# Altium PCB ZYNQ_IPMC.PcbDoc (part 4 of 6)
Units mil, origin at the board's own origin, x right, y up, seen from the top; angles counter-clockwise.
Board outline 3228.35 x 1181.1 mil, 10 copper layers (Component Side, Ground Plane 1 (GND), Inner Layer 1, Inner Layer 2, Power Plane 1, Power Plane 2, Inner Layer 3, Inner Layer 4, Power Plane 3, Solder Side), stack 39.78 mil thick; 308 components, 335 nets, 1514 pads, 1113 vias.
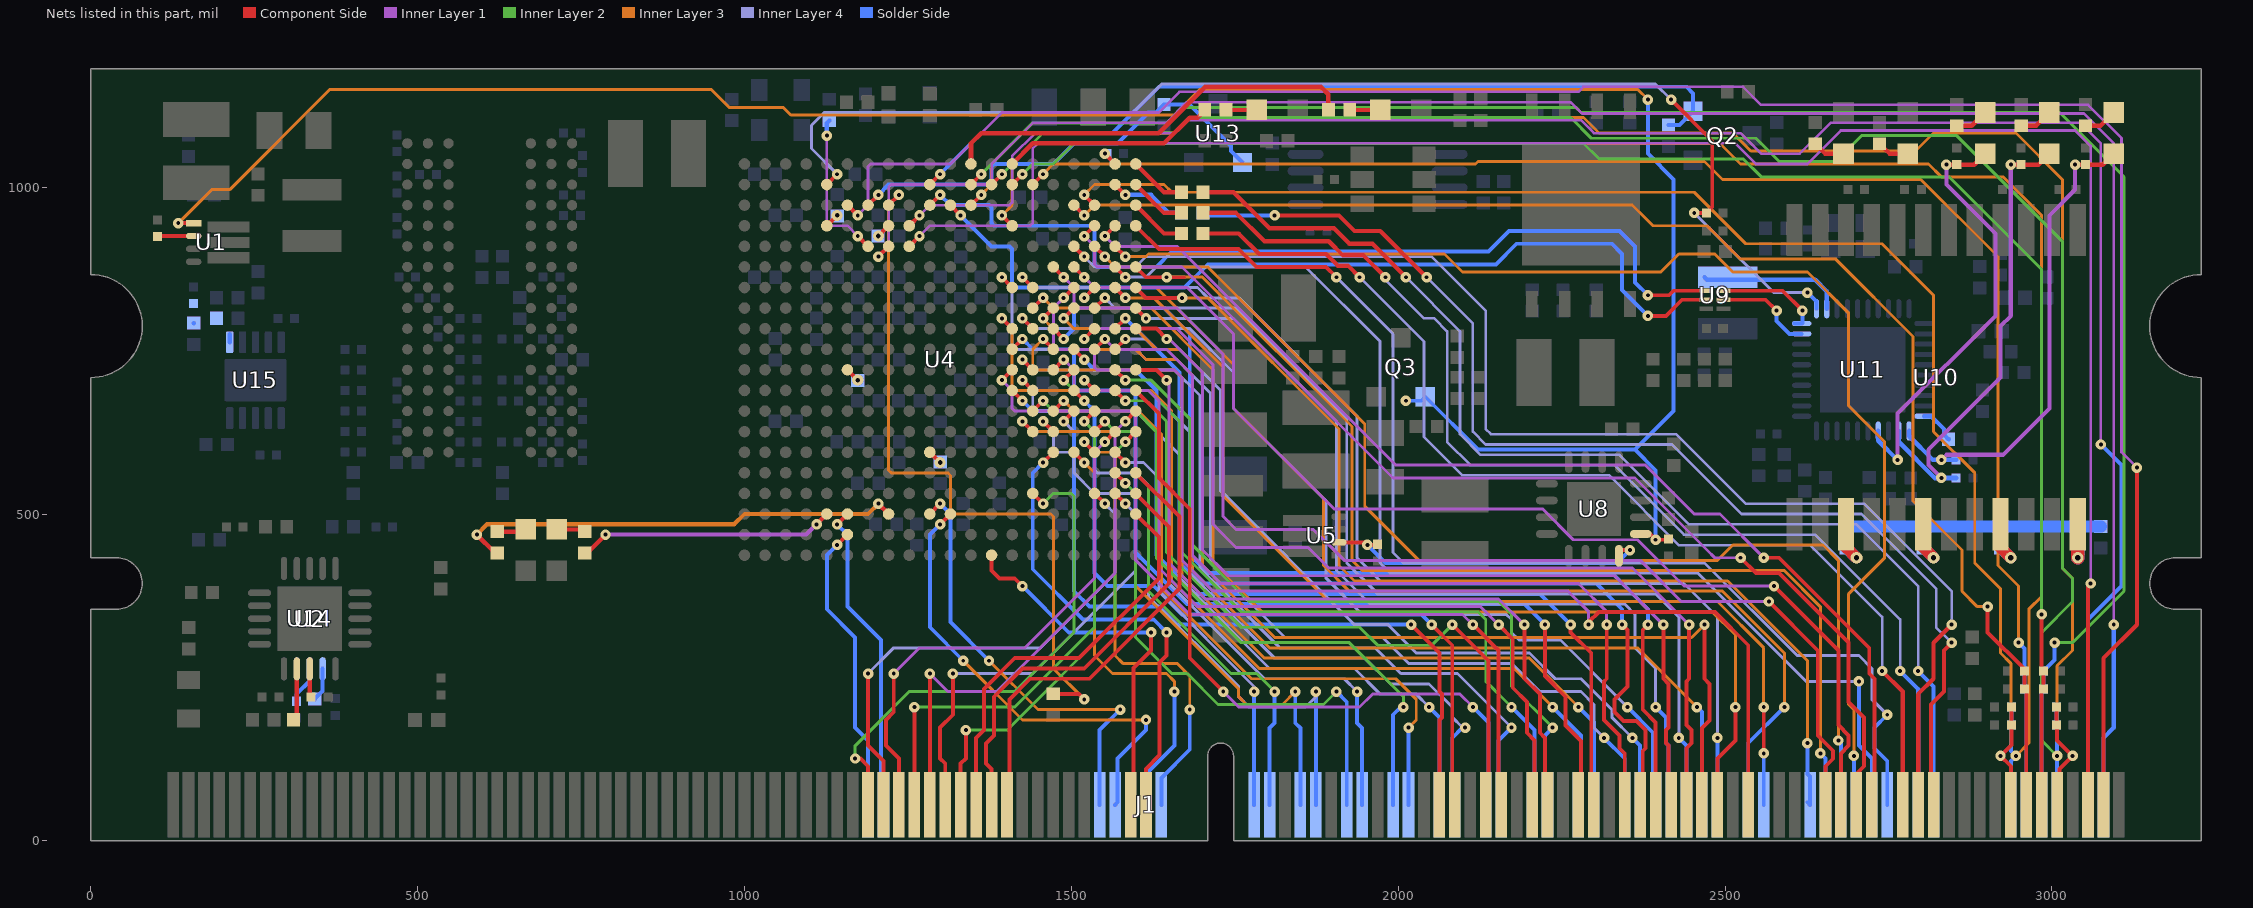
[diagram p12: the nets of this part, all layers, seen from the top]

## Via types
v1: diameter 16, hole 6, Component Side to Solder Side, tented both sides, 528 vias
v2: diameter 17, hole 7, Component Side to Solder Side, tented both sides, 302 vias
v3: diameter 18, hole 8, Component Side to Solder Side, tented both sides, 268 vias
v4: diameter 17, hole 7, Component Side to Solder Side, tented top, 13 vias
v5: diameter 16, hole 6, Component Side to Solder Side, tented top, 2 vias

## Nets (pads, with @x,y where several pads share a name; then routed paths per layer and width w, separated by ;. In a path a pad name is that pad's centre, name@x,y a point inside that pad or via, vN(x,y) a via of type N, cw(c..) or ccw(c..) an arc to the next point about the centre after c; other vN are vias at no path point) (continued)
GPIO_40: J1.46 U4.U15 | length 796
  Component Side w6: v1(1169.29,125.98) 1177.17,125.98 1188.98,114.17 J1.46@1188.98,55.12 ; U4.U15@1440.94,531.5 v1(1456.69,515.75)
  Inner Layer 2 w4.5: v1(1169.29,125.98) 1169.29,145.67 1251.97,228.35 1413.39,228.35 1503.94,318.9 1503.94,527.56 1500,531.5 1472.44,531.5 v1(1456.69,515.75)
GPIO_41: J1.168 U4.W6 | length 452.5
  Component Side w6: v1(1141.73,452.76) U4.W6@1157.48,468.5
  Solder Side w6: v1(1141.73,452.76) 1125.98,437.01 1125.98,354.33 1169.29,311.02 1169.29,173.23 1188.98,153.54 J1.168@1188.98,55.12
GPIO_42: J1.47 U4.U18 | length 787.2
  Component Side w6: v1(1188.98,255.91) 1188.98,145.67 1212.6,122.05 J1.47@1212.6,55.12 ; U4.U18@1535.43,531.5 v1(1551.18,515.75)
  Inner Layer 4 w4.5: v1(1188.98,255.91) 1228.35,295.28 1452.76,295.28 1566.93,409.45 1566.93,500 v1(1551.18,515.75)
GPIO_43: J1.169 U4.V6 | length 480.8
  Component Side w6: v1(1141.73,484.25) U4.V6@1157.48,500
  Solder Side w6: v1(1141.73,484.25) 1157.48,468.5 1157.48,358.27 1208.66,307.09 1208.66,59.06 J1.169@1212.6,55.12
GPIO_44: J1.48 U4.P19 | length 818.7
  Component Side w6: v1(1228.35,255.91) 1228.35,196.85 1216.54,185.04 1216.54,145.67 1236.22,125.98 J1.48@1236.22,55.12 ; v1(1551.18,610.24) U4.P19@1566.93,625.98
  Inner Layer 1 w4.5: v1(1228.35,255.91) 1267.72,295.28 1429.13,295.28 1535.43,401.57 1535.43,594.49 v1(1551.18,610.24)
GPIO_45: J1.49 U4.N18 | length 819.5
  Component Side w6: J1.49@1259.84,55.12 v1(1259.84,204.72) ; v1(1519.68,641.73) U4.N18@1535.43,657.48
  Inner Layer 2 w4.5: v1(1259.84,204.72) 1413.39,204.72 1535.43,326.77 1535.43,625.98 v1(1519.68,641.73)
GPIO_46: J1.50 U4.N20 | length 831.8
  Component Side w6: J1.50@1283.46,55.12 v1(1283.46,255.91) ; v1(1582.68,641.73) U4.N20@1598.43,657.48
  Inner Layer 1 w4.5: v1(1283.46,255.91) 1311.02,228.35 1385.83,228.35 1566.93,409.45 1566.93,625.98 v1(1582.68,641.73)
GPIO_47: J1.51 U4.U19 | length 688.1
  Component Side w6: J1.51@1307.09,55.12 1307.09,118.11 1299.21,125.98 1299.21,173.23 1318.9,192.91 v1(1318.9,255.91) ; U4.U19@1566.93,531.5 v1(1582.68,515.75)
  Inner Layer 4 w4.5: v1(1318.9,255.91) 1440.94,255.91 1598.43,413.39 1598.43,500 v1(1582.68,515.75)
GPIO_48: J1.52 U4.P20 | length 718.7
  Component Side w6: J1.52@1330.71,55.12 1330.71,118.11 1338.58,125.98 v1(1338.58,169.29) ; v1(1582.68,610.24) U4.P20@1598.43,625.98
  Inner Layer 2 w4.5: v1(1338.58,169.29) 1401.57,169.29 1566.93,334.65 1566.93,594.49 v1(1582.68,610.24)
GPIO_49: J1.53 U4.V20 | length 633
  Component Side w6: J1.53@1354.33,55.12 1354.33,157.48 1366.14,169.29 1366.14,232.28 1413.39,279.53 1511.81,279.53 1633.86,401.57 1633.86,464.57 U4.V20@1598.43,500
GPIO_50: J1.54 U4.U20 | length 672.3
  Component Side w6: J1.54@1377.95,55.12 1377.95,110.24 1369.63,118.56 1369.63,149.15 1381.89,161.42 1381.89,220.47 1425.2,263.78 1519.68,263.78 1649.61,393.7 1649.61,480.31 U4.U20@1598.43,531.5
GPIO_51: J1.55 U4.T20 | length 697.9
  Component Side w6: J1.55@1401.57,55.12 1405.51,59.06 1405.51,216.54 1437.01,248.03 1527.56,248.03 1665.35,385.83 1665.35,496.06 U4.T20@1598.43,562.99
GPIO_52: J1.183 U4.V10 | length 683.9
  Component Side w6: U4.V10@1283.46,500 v1(1299.21,515.75)
  Inner Layer 3 w4.5: v1(1374.02,275.59) 1448.82,200.79 v1(1574.8,200.79)
  Solder Side w6: v1(1299.21,515.75) 1314.96,500 1314.96,334.65 v1(1374.02,275.59) ; J1.183@1543.31,55.12 1543.31,169.29 v1(1574.8,200.79)
GPIO_53: J1.184 U4.V11 | length 730.7
  Component Side w6: v1(1299.21,484.25) U4.V11@1314.96,500
  Inner Layer 3 w4.5: v1(1334.65,275.59) 1425.2,185.04 1610.24,185.04 1612.2,187.01 1614.17,188.98 v1(1614.17,185.04)
  Solder Side w6: v1(1299.21,484.25) 1283.46,468.5 1283.46,326.77 v1(1334.65,275.59) ; J1.184@1566.93,55.12 1570.87,59.06 1570.87,125.98 1614.17,169.29 v1(1614.17,185.04)
GPIO_54: J1.63 U4.Y13 | length 583.7
  Component Side w6: U4.Y13@1377.95,437.01 1377.95,413.39 1389.76,401.57 1413.39,401.57 v1(1425.2,389.76) ; J1.63@1590.55,55.12 1595.28,59.84 1595.28,264.57 1622.05,291.34 v1(1622.05,318.9)
  Solder Side w6: v1(1425.2,389.76) 1496.06,318.9 v1(1622.05,318.9)
GPIO_55: J1.64 U4.R16 | length 713.6
  Component Side w6: v1(1456.69,578.74) U4.R16@1472.44,594.49 ; J1.64@1614.17,55.12 1614.17,110.24 1635,131.06 1635,272.8 1645.67,283.46 v1(1645.67,318.9)
  Solder Side w6: v1(1456.69,578.74) 1440.94,562.99 1440.94,415.51 1517.87,338.58 1625.98,338.58 v1(1645.67,318.9)
GPIO_56: J1.186 U4.R17 | length 669.3
  Component Side w6: U4.R17@1503.94,594.49 v1(1519.68,578.74)
  Inner Layer 3 w4.5: v1(1519.68,578.74) 1535.43,562.99 1535.43,283.46 1562.99,255.91 1645.67,255.91 1657.48,244.09 v1(1657.48,228.35)
  Solder Side w6: J1.186@1614.17,55.12 1614.17,102.36 1657.48,145.67 v1(1657.48,228.35)
GPIO_57: J1.187 U4.R18 | length 726.8
  Component Side w6: v1(1519.68,610.24) U4.R18@1535.43,594.49
  Inner Layer 3 w4.5: v1(1519.68,610.24) 1535.43,594.49 1562.99,594.49 1566.93,590.55 1566.93,283.46 1578.74,271.65 1661.42,271.65 1681.1,251.97 v1(1681.1,200.79)
  Solder Side w6: J1.187@1637.8,55.12 1637.8,96.46 1681.1,139.76 v1(1681.1,200.79)
GPIO_58: J1.188 U4.N17 | length 780.3
  Component Side w6: v1(1488.19,641.73) U4.N17@1503.94,657.48
  Inner Layer 4 w4.5: v1(1488.19,641.73) 1503.94,625.98 1531.5,625.98 1535.43,622.05 1535.43,566.93 1539.37,562.99 1598.43,562.99 1633.86,527.56 1633.86,381.89 1779.53,236.22 v1(1779.53,228.35)
  Solder Side w6: J1.188@1779.53,55.12 v1(1779.53,228.35)
GPIO_59: J1.189 U4.P18 | length 759
  Component Side w6: U4.P18@1535.43,625.98 v1(1551.18,641.73)
  Inner Layer 2 w4.5: v1(1551.18,641.73) 1566.93,625.98 1594.49,625.98 1598.43,622.05 1598.43,562.99 1618.11,543.31 1618.11,381.89 1744.09,255.91 1783.46,255.91 v1(1811.02,228.35)
  Solder Side w6: J1.189@1803.15,55.12 1803.15,172.64 1811.02,180.51 v1(1811.02,228.35)
GPIO_60: J1.191 U4.P15 | length 946.6
  Component Side w6: v1(1425.2,641.73) U4.P15@1440.94,625.98
  Inner Layer 3 w4.5: v1(1425.2,641.73) 1440.94,625.98 1594.49,625.98 1598.43,622.05 1598.43,389.76 1755.91,232.28 1755.91,220.47 1767.72,208.66 1822.83,208.66 v1(1842.52,228.35)
  Solder Side w6: v1(1842.52,228.35) 1842.52,180.51 1850.39,172.64 J1.191@1850.39,55.12
GPIO_61: J1.192 U4.P16 | length 930.5
  Component Side w6: v1(1456.69,641.73) U4.P16@1472.44,625.98
  Inner Layer 4 w4.5: v1(1456.69,641.73) 1472.44,625.98 1472.44,598.43 1476.38,594.49 1500,594.49 1503.94,590.55 1503.94,562.99 1535.43,531.5 1598.43,531.5 1618.11,511.81 1618.11,374.02 1755.91,236.22 1755.91,220.47 1771.65,204.72 1858.27,204.72 1874.02,220.47 v1(1874.02,228.35)
  Solder Side w6: J1.192@1874.02,55.12 1874.02,213.19 v1(1874.02,228.35)
GPIO_62: J1.194 U4.T19 | length 802.4
  Component Side w6: U4.T19@1566.93,562.99 v1(1582.68,547.24)
  Inner Layer 2 w4.5: v1(1582.68,547.24) 1598.43,531.5 1598.43,311.02 1653.54,255.91 1677.17,255.91 1724.41,208.66 1885.83,208.66 v1(1905.51,228.35)
  Solder Side w6: v1(1905.51,228.35) 1921.26,212.6 J1.194@1921.26,55.12
GPIO_63: J1.195 U4.R19 | length 783.6
  Component Side w6: U4.R19@1566.93,594.49 v1(1582.68,578.74)
  Inner Layer 4 w4.5: v1(1582.68,578.74) 1610.24,578.74 1649.61,539.37 1649.61,393.7 1795.28,248.03 1917.32,248.03 v1(1937.01,228.35)
  Solder Side w6: v1(1937.01,228.35) 1937.01,180.51 1944.88,172.64 J1.195@1944.88,55.12
GPIO_64: J1.197 U4.N15 | length 1048.2
  Component Side w6: U4.N15@1440.94,657.48 v1(1456.69,673.23)
  Inner Layer 2 w4.5: v1(1456.69,673.23) 1472.44,657.48 1598.43,657.48 1629.92,625.98 1629.92,433.07 1759.84,303.15 1925.2,303.15 2007.87,220.47 v1(2007.87,204.72)
  Solder Side w6: J1.197@1992.13,55.12 1992.13,192.91 2003.94,204.72 v1(2007.87,204.72)
GPIO_65: J1.198 U4.N16 | length 1055.5
  Component Side w6: U4.N16@1472.44,657.48 v1(1488.19,673.23)
  Inner Layer 3 w4.5: v1(1488.19,673.23) 1503.94,657.48 1602.36,657.48 1637.8,622.05 1637.8,385.83 1775.59,248.03 1996.06,248.03 2027.56,216.54 2027.56,185.04 v1(2015.75,173.23)
  Solder Side w6: J1.198@2015.75,55.12 v1(2015.75,173.23)
GPIO_66: J1.78 U4.M14 | length 1214.6
  Component Side w6: U4.M14@1409.45,688.98 v1(1425.2,673.23) ; v1(2019.68,330.71) 2062.99,287.4 2062.99,228.35 2066.93,224.41 2066.93,188.98 2062.99,185.04 2062.99,180.51 J1.78@2062.99,55.12
  Solder Side w6: v1(1425.2,673.23) 1440.94,657.48 1500,657.48 1503.94,653.54 1503.94,381.89 1527.56,358.27 1633.86,358.27 1661.42,330.71 v1(2019.68,330.71)
GPIO_67: J1.200 U4.M15 | length 1134.4
  Component Side w6: v1(1425.2,704.72) U4.M15@1440.94,688.98
  Inner Layer 4 w4.5: v1(1425.2,704.72) 1440.94,688.98 1440.94,661.42 1444.88,657.48 1598.43,657.48 1665.35,590.55 1665.35,401.57 1803.15,263.78 1933.07,263.78 1972.44,224.41 2027.56,224.41 v1(2047.24,204.72)
  Solder Side w6: v1(2047.24,204.72) 2062.99,188.98 J1.200@2062.99,55.12
GPIO_68: J1.79 U4.M17 | length 1131.2
  Component Side w6: U4.M17@1503.94,688.98 v1(1519.68,673.23) ; v1(2051.18,330.71) 2082.68,299.21 2082.68,102.36 2086.61,98.43 J1.79@2086.61,55.12
  Solder Side w6: v1(1519.68,673.23) 1535.43,657.48 1535.43,409.45 1555.12,389.76 1625.98,389.76 1669.29,346.46 2035.43,346.46 v1(2051.18,330.71)
GPIO_69: J1.201 U4.M18 | length 1091.4
  Component Side w6: v1(1519.68,704.72) U4.M18@1535.43,688.98
  Inner Layer 4 w4.5: v1(1519.68,704.72) 1535.43,688.98 1618.11,688.98 1681.1,625.98 1681.1,409.45 1811.02,279.53 1948.82,279.53 1988.19,240.16 2047.24,240.16 2082.68,204.72 2082.68,188.98 2098.43,173.23 v1(2102.36,173.23)
  Solder Side w6: J1.201@2086.61,55.12 2082.68,59.06 2082.68,157.48 2098.43,173.23 v1(2102.36,173.23)
GPIO_70: J1.81 U4.M19 | length 1107.9
  Component Side w6: U4.M19@1566.93,688.98 v1(1582.68,673.23) ; v1(2082.68,330.71) 2137.8,275.59 2137.8,102.36 2133.86,98.43 J1.81@2133.86,55.12
  Inner Layer 2 w4.5: v1(1582.68,673.23) 1614.17,673.23 1645.67,641.73 1645.67,440.94 1759.84,326.77 1940.94,326.77 1968.5,299.21 2051.18,299.21 v1(2082.68,330.71)
GPIO_71: J1.203 U4.M20 | length 1089
  Component Side w6: U4.M20@1598.43,688.98 1633.86,653.54 1633.86,555.12 1681.1,507.87 1681.1,279.53 v1(1732.28,228.35)
  Inner Layer 1 w4.5: v1@1736.22,228.35 v1(1732.28,228.35) 1755.91,204.72 1940.94,204.72 1960.63,224.41 2094.49,224.41 v1(2114.17,204.72)
  Solder Side w6: v1(2114.17,204.72) 2137.8,181.1 2137.8,59.06 J1.203@2133.86,55.12
GPIO_72: J1.82 U4.L14 | length 1321.4
  Component Side w6: v1(1393.7,704.72) U4.L14@1409.45,720.47 ; v1(2114.17,330.71) 2153.54,291.34 J1.82@2153.54,70.87
  Inner Layer 1 w4.5: v1(1393.7,704.72) 1409.45,688.98 1409.45,661.42 1413.39,657.48 1594.49,657.48 1598.43,653.54 1598.43,429.13 1681.1,346.46 2098.43,346.46 v1(2114.17,330.71)
GPIO_73: J1.204 U4.L15 | length 1285.9
  Component Side w6: v1(1425.2,736.22) U4.L15@1440.94,720.47
  Inner Layer 4 w4.5: v1(1425.2,736.22) 1440.94,720.47 1657.48,720.47 1696.85,681.1 1696.85,417.32 1818.9,295.28 1964.57,295.28 2003.94,255.91 2090.55,255.91 v1(2173.23,173.23)
  Solder Side w6: J1.204@2157.48,55.12 2153.54,59.06 2153.54,153.54 v1(2173.23,173.23)
GPIO_74: J1.84 U4.L16 | length 1321.7
  Component Side w6: U4.L16@1472.44,720.47 v1(1488.19,736.22) ; v1(2153.54,330.71) 2175.2,309.06 2175.2,234.25 2196.85,212.6 2196.85,165.35 2208.66,153.54 2208.66,102.36 2204.72,98.43 J1.84@2204.72,55.12
  Inner Layer 1 w4.5: v1(1488.19,736.22) 1503.94,720.47 1503.94,692.91 1507.87,688.98 1618.11,688.98 1633.86,673.23 1633.86,417.32 1692.91,358.27 2125.98,358.27 v1(2153.54,330.71)
GPIO_75: J1.206 U4.L17 | length 1251
  Component Side w6: v1(1488.19,704.72) U4.L17@1503.94,720.47
  Inner Layer 2 w4.5: v1(1488.19,704.72) 1503.94,688.98 1618.11,688.98 1665.35,641.73 1665.35,444.88 1759.84,350.39 2122.05,350.39 2133.86,338.58 2133.86,244.09 v1(2173.23,204.72)
  Solder Side w6: v1(2173.23,204.72) 2208.66,169.29 2208.66,59.05 J1.206@2204.72,55.12
GPIO_76: J1.85 U4.L20 | length 1207.6
  Component Side w6: U4.L20@1598.43,720.47 1629.92,720.47 v1(1645.67,704.72) ; v1(2192.91,330.71) 2192.91,248.03 2216.54,224.41 2216.54,165.35 2224.41,157.48 2224.41,102.36 2228.35,98.43 J1.85@2228.35,55.12
  Inner Layer 1 w4.5: v1(1645.67,704.72) 1649.61,700.79 1649.61,425.2 1704.72,370.08 2153.54,370.08 v1(2192.91,330.71)
GPIO_77: J1.207 U4.L19 | length 1195.9
  Component Side w6: U4.L19@1566.93,720.47 v1(1582.68,704.72)
  Inner Layer 2 w4.5: v1(1582.68,704.72) 1622.05,704.72 1681.1,645.67 1681.1,456.69 1771.65,366.14 2153.54,366.14 2173.23,346.46 2173.23,236.22 v1(2236.22,173.23)
  Solder Side w6: J1.207@2228.35,55.12 2224.41,59.06 2224.41,161.42 v1(2236.22,173.23)
GPIO_78: J1.87 U4.K14 | length 1477.8
  Component Side w6: U4.K14@1409.45,751.97 v1(1425.2,767.72) ; v1(2224.41,330.71) 2224.41,251.97 2255.91,220.47 2255.91,176.57 2279.53,152.95 2279.53,102.36 2275.59,98.43 J1.87@2275.59,55.12
  Solder Side w6: v1(1425.2,767.72) 1440.94,751.97 1500,751.97 1503.94,748.03 1503.94,692.91 1507.87,688.98 1594.49,688.98 1598.43,685.04 1598.43,440.94 1677.17,362.2 2192.91,362.2 v1(2224.41,330.71)
GPIO_79: J1.209 U4.J14 | length 1485.5
  Component Side w6: v1(1393.7,799.21) U4.J14@1409.45,783.46
  Inner Layer 3 w4.5: v1(1393.7,799.21) 1409.45,783.46 1409.45,692.91 1413.39,688.98 1622.05,688.98 1653.54,657.48 1653.54,397.64 1787.4,263.78 2177.17,263.78 v1(2236.22,204.72)
  Solder Side w6: v1(2236.22,204.72) 2279.53,161.42 2279.53,102.36 2275.59,98.43 J1.209@2275.59,55.12
GPIO_80: J1.88 U4.K17 | length 1372.2
  Component Side w6: U4.K17@1503.94,751.97 v1(1519.68,736.22) ; v1(2263.78,330.71) 2263.78,318.9 2295.28,287.4 2295.28,59.06 J1.88@2299.21,55.12
  Solder Side w6: v1(1519.68,736.22) 1535.43,720.47 1598.43,720.47 1629.92,688.98 1629.92,437.01 1688.98,377.95 2216.54,377.95 v1(2263.78,330.71)
GPIO_81: J1.210 U4.K16 | length 1459
  Component Side w6: v1(1456.69,767.72) U4.K16@1472.44,751.97
  Inner Layer 3 w4.5: v1(1456.69,767.72) 1440.94,751.97 1440.94,724.41 1444.88,720.47 1657.48,720.47 1669.29,708.66 1669.29,405.51 1795.28,279.53 2200.79,279.53 v1(2275.59,204.72)
  Solder Side w6: v1(2275.59,204.72) 2299.21,181.1 J1.210@2299.21,55.12
GPIO_82: J1.90 U4.K18 | length 1434.2
  Component Side w6: U4.K18@1535.43,751.97 v1(1551.18,767.72) ; v1(2318.9,330.71) 2318.9,248.03 2314.96,244.09 2314.96,185.04 2338.58,161.42 2338.58,141.73 2346.46,133.86 J1.90@2346.46,55.12
  Inner Layer 1 w4.5: v1(1551.18,767.72) 1566.93,751.97 1645.67,751.97 1685.04,712.6 1685.04,437.01 1728.35,393.7 2275.59,393.7 2318.9,350.39 v1(2318.9,330.71)
GPIO_83: J1.212 U4.G14 | length 1576.9
  Component Side w6: v1(1393.7,862.2) U4.G14@1409.45,846.46
  Inner Layer 4 w4.5: v1(1393.7,862.2) 1409.45,846.46 1409.45,755.91 1413.39,751.97 1598.43,751.97 1614.17,736.22 1661.42,736.22 1712.6,685.04 1712.6,425.2 1826.77,311.02 1976.38,311.02 2015.75,271.65 2173.23,271.65 2216.54,228.35 2279.53,228.35 2299.21,208.66 2299.21,173.23 v1(2314.96,157.48)
  Solder Side w6: v1(2314.96,157.48) 2346.46,125.98 J1.212@2346.46,55.12
GPIO_84: J1.91 U4.J19 | length 1482
  Component Side w6: U4.J19@1566.93,783.46 v1(1582.68,799.21) ; v1(2342.52,330.71) 2350.39,322.83 2350.39,236.22 2330.71,216.54 2330.71,196.85 2344.49,183.07 2364.17,183.07 2377.95,169.29 2377.95,141.73 2374.02,137.8 2374.02,59.05 J1.91@2370.08,55.12
  Solder Side w6: v1(1582.68,799.21) 1665.35,716.54 1665.35,425.2 1696.85,393.7 2303.15,393.7 2342.52,354.33 v1(2342.52,330.71)
GPIO_85: J1.213 U4.K19 | length 1254.7
  Component Side w6: U4.K19@1566.93,751.97 v1(1582.68,767.72)
  Inner Layer 4 w4.5: v1(1582.68,767.72) 1614.17,767.72 1629.92,751.97 1665.35,751.97 1728.35,688.98 1728.35,535.43 1933.07,330.71 1984.25,330.71 2027.56,287.4 2200.79,287.4 2240.16,248.03 2279.53,248.03 2326.77,200.79 2326.77,188.98 v1(2358.27,157.48)
  Solder Side w6: v1(2358.27,157.48) 2370.08,145.67 J1.213@2370.08,55.12
GPIO_86: J1.92 U4.J16 | length 1651.4
  Component Side w6: U4.J16@1472.44,783.46 v1(1488.19,767.72) ; v1(2381.89,330.71) 2374.02,322.83 2374.02,200.79 2393.7,181.1 J1.92@2393.7,55.12
  Solder Side w6: v1(1488.19,767.72) 1503.94,783.46 1503.94,811.02 1507.87,814.96 1641.73,814.96 1681.1,775.59 1681.1,437.01 1708.66,409.45 2326.77,409.45 2381.89,354.33 v1(2381.89,330.71)
GPIO_87: J1.214 U4.J15 | length 1474.3
  Component Side w6: v1(1425.2,799.21) U4.J15@1440.94,783.46
  Inner Layer 4 w4.5: v1(1425.2,799.21) 1440.94,783.46 1681.1,783.46 1748.03,716.54 1748.03,661.42 1889.76,519.68 1889.76,401.57 1944.88,346.46 2165.35,346.46 2173.23,338.58 2173.23,318.9 2185.04,307.09 2248.03,307.09 v1(2350.39,204.72)
  Solder Side w6: v1(2350.39,204.72) 2389.76,165.35 2389.76,59.06 J1.214@2393.7,55.12
GPIO_88: J1.93 U4.J20 | length 1437.5
  Component Side w6: U4.J20@1598.43,783.46 1629.92,783.46 v1(1645.67,767.72) ; v1(2405.51,330.71) 2405.51,248.03 2413.39,240.16 2413.39,173.23 2409.45,169.29 2409.45,149.61 2413.39,145.67 2413.39,59.06 J1.93@2417.32,55.12
  Inner Layer 1 w4.5: v1(1645.67,767.72) 1649.61,767.72 1700.79,716.54 1700.79,444.88 1740.16,405.51 2330.71,405.51 v1(2405.51,330.71)
GPIO_89: J1.215 U4.H20 | length 1405.8
  Component Side w6: U4.H20@1598.43,814.96 v1(1614.17,799.21)
  Inner Layer 4 w4.5: v1(1614.17,799.21) 1748.03,799.21 1905.51,641.73 1905.51,413.39 1956.69,362.2 2346.46,362.2 2362.2,346.46 2362.2,295.28 2393.7,263.78 v1(2393.7,204.72)
  Solder Side w6: v1(2393.7,204.72) 2409.45,188.98 2409.45,149.61 2413.39,145.67 2413.39,59.06 J1.215@2417.32,55.12
GPIO_90: J1.94 U4.J18 | length 1568.3
  Component Side w6: v1(1519.68,767.72) U4.J18@1535.43,783.46 ; J1.94@2440.94,55.12 2440.94,141.73 2448.82,149.61 2448.82,169.29 2440.94,177.17 2440.94,244.09 2444.88,248.03 v1(2444.88,330.71)
  Inner Layer 1 w4.5: v1(1519.68,767.72) 1535.43,783.46 1661.42,783.46 1716.54,728.35 1716.54,484.25 1751.97,448.82 1862.2,448.82 1893.7,417.32 2358.27,417.32 v1(2444.88,330.71)
GPIO_91: J1.216 U4.H18 | length 1523.9
  Component Side w6: U4.H18@1535.43,814.96 v1(1551.18,830.71)
  Inner Layer 4 w4.5: v1(1551.18,830.71) 1566.93,814.96 1751.97,814.96 1921.26,645.67 1921.26,425.2 1968.5,377.95 2393.7,377.95 2429.13,342.52 v1(2429.13,157.48)
  Solder Side w6: v1(2429.13,157.48) 2440.94,145.67 J1.216@2440.94,55.12
GPIO_92: J1.95 U4.H17 | length 1669.7
  Component Side w6: v1(1488.19,799.21) U4.H17@1503.94,814.96 ; J1.95@2464.57,55.12 2464.57,172.64 2476.38,184.45 2476.38,240.16 2468.5,248.03 v1(2468.5,330.71)
  Inner Layer 3 w4.5: v1(1488.19,799.21) 1503.94,783.46 1598.43,783.46 1629.92,751.97 1665.35,751.97 1700.79,716.54 1700.79,421.26 1811.02,311.02 2448.82,311.02 v1(2468.5,330.71)
GPIO_93: J1.217 U4.H16 | length 1612.8
  Component Side w6: v1(1456.69,799.21) U4.H16@1472.44,814.96
  Inner Layer 3 w4.5: v1(1456.69,799.21) 1472.44,783.46 1472.44,755.91 1476.38,751.97 1598.43,751.97 1614.17,736.22 1661.42,736.22 1685.04,712.6 1685.04,413.39 1803.15,295.28 2366.14,295.28 v1(2456.69,204.72)
  Solder Side w6: v1(2456.69,204.72) 2464.57,196.85 J1.217@2464.57,55.12
GPIO_94: J1.96 U4.H15 | length 1739.2
  Component Side w6: U4.H15@1440.94,814.96 v1(1456.69,830.71) ; J1.96@2488.19,55.12 2488.19,125.98 2515.75,153.54 v1(2515.75,204.72)
  Inner Layer 3 w4.5: v1(1456.69,830.71) 1472.44,814.96 1622.05,814.96 1716.54,720.47 1716.54,425.2 1791.34,350.39 2480.31,350.39 2515.75,314.96 v1(2515.75,204.72)
GPIO_95: J1.218 U4.G15 | length 1714.8
  Component Side w6: v1(1425.2,862.2) U4.G15@1440.94,846.46
  Inner Layer 4 w4.5: v1(1425.2,862.2) 1440.94,846.46 1692.91,846.46 1708.66,830.71 1755.91,830.71 1937.01,649.61 1937.01,433.07 1976.38,393.7 2437.01,393.7 2488.19,342.52 v1(2488.19,157.48)
  Solder Side w6: J1.218@2488.19,55.12 v1(2488.19,157.48)
GPIO_96: J1.98 U4.G17 | length 1807.6
  Component Side w6: v1(1488.19,830.71) U4.G17@1503.94,846.46 ; v1(2291.34,330.71) 2291.34,334.65 2307.09,350.39 2484.25,350.39 2535.43,299.21 J1.98@2535.43,55.12
  Inner Layer 1 w4.5: v1(1488.19,830.71) 1472.44,814.96 1472.44,755.91 1476.38,751.97 1531.5,751.97 1535.43,748.03 1535.43,724.41 1539.37,720.47 1657.48,720.47 1669.29,708.66 1669.29,429.13 1716.54,381.89 2259.84,381.89 2291.34,350.39 v1(2291.34,330.71)
GPIO_97: J1.220 U4.G18 | length 1685.5
  Component Side w6: v1(1519.68,830.71) U4.G18@1535.43,846.46
  Inner Layer 3 w4.5: v1(1519.68,830.71) 1535.43,846.46 1629.92,846.46 1748.03,728.35 1748.03,661.42 1885.83,523.62 1885.83,421.26 1925.2,381.89 2496.06,381.89 2590.55,287.4 v1(2590.55,204.72)
  Solder Side w6: J1.220@2535.43,55.12 2535.43,149.61 v1(2590.55,204.72)
GPIO_98: J1.221 U4.G19 | length 1579.8
  Component Side w6: U4.G19@1566.93,846.46 v1(1582.68,830.71) ; v1(2559.06,133.86) v1(2559.06,204.72)
  Inner Layer 3 w4.5: v1(1582.68,830.71) 1625.98,830.71 1732.28,724.41 1732.28,527.56 1893.7,366.14 2488.19,366.14 2559.06,295.28 v1(2559.06,204.72)
  Solder Side w6: J1.221@2559.06,55.12 v1(2559.06,133.86) v1@2559.06,137.8
GPIO_99: J1.224 U4.G20 | length 1613.9
  Component Side w6: U4.G20@1598.43,846.46 1614.17,830.71 v1(1669.29,830.71)
  Inner Layer 3 w4.5: v1(1669.29,830.71) 1708.66,830.71 1909.45,629.92 1909.45,421.26 1933.07,397.64 2503.94,397.64 2625.98,275.59 v1(2625.98,149.61)
  Solder Side w6: J1.224@2625.98,59.06 J1.224@2629.92,55.12 2629.92,98.43 2625.98,102.36 v1(2625.98,149.61)
GPIO_100: J1.103 U4.F16 | length 1824.6
  Component Side w6: U4.F16@1472.44,877.95 v1(1488.19,862.2) ; v1(2566.93,366.14) 2641.73,291.34 2641.73,161.42 2665.35,137.8 2665.35,125.98 2653.54,114.17 J1.103@2653.54,55.12
  Inner Layer 1 w4.5: v1(1488.19,862.2) 1503.94,846.46 1503.94,818.9 1507.87,814.96 1661.42,814.96 1732.28,744.09 1732.28,496.06 1751.97,476.38 1870.08,476.38 1917.32,429.13 2370.08,429.13 2433.07,366.14 v1(2566.93,366.14)
GPIO_101: J1.225 U4.F20 | length 1715.8
  Component Side w6: U4.F20@1598.43,877.95 1614.17,862.2 v1(1645.67,862.2) 1672.64,862.2
  Inner Layer 3 w4.5: v1(1645.67,862.2) 1700.79,862.2 1929.13,633.86 1929.13,429.13 1944.88,413.39 2590.55,413.39 2645.67,358.27 v1(2645.67,133.86)
  Solder Side w6: v1(2645.67,133.86) 2653.54,125.98 J1.225@2653.54,55.12
GPIO_102: J1.104 U4.F17 | length 1726.8
  Component Side w6: U4.F17@1503.94,877.95 v1(1519.68,862.2) ; v1(2574.8,389.76) 2673.23,291.34 2673.23,177.17 2688.98,161.42 2688.98,145.67 2677.17,133.86 J1.104@2677.17,55.12
  Inner Layer 1 w4.5: v1(1519.68,862.2) 1535.43,846.46 1677.17,846.46 1748.03,775.59 1748.03,661.42 1901.57,507.87 2220.47,507.87 2267.72,460.63 2366.14,460.63 2437.01,389.76 v1(2574.8,389.76)
GPIO_103: J1.226 U4.E18 | length 1805.8
  Component Side w6: U4.E18@1535.43,909.45 v1(1551.18,893.7)
  Inner Layer 3 w4.5: v1(1551.18,893.7) 1566.93,877.95 1708.66,877.95 1948.82,637.8 1948.82,511.81 2031.5,429.13 2488.19,429.13 2511.81,452.76 2649.61,452.76 2673.23,429.13 v1(2673.23,153.54)
  Solder Side w6: v1(2673.23,153.54) 2677.17,149.61 J1.226@2677.17,55.12
GPIO_104: J1.105 U4.D18 | length 1728.1
  Component Side w6: v1(1519.68,925.2) U4.D18@1535.43,940.94 ; v1(2523.62,433.07) 2547.24,409.45 2582.68,409.45 2688.98,303.15 2688.98,212.6 2712.6,188.98 2712.6,114.17 2700.79,102.36 J1.105@2700.79,55.12
  Inner Layer 1 w4.5: v1(1519.68,925.2) 1535.43,909.45 1535.43,881.89 1539.37,877.95 1669.29,877.95 1992.13,555.12 2362.2,555.12 2472.44,444.88 2484.25,433.07 v1(2523.62,433.07)
GPIO_105: J1.227 U4.E19 | length 1993.1
  Component Side w6: U4.E19@1566.93,909.45 v1(1582.68,893.7)
  Inner Layer 3 w4.5: v1(1582.68,893.7) 1614.17,893.7 1618.11,897.64 2070.87,897.64 2098.43,870.08 2401.57,870.08 2429.13,897.64 2484.25,897.64 2511.81,870.08 2625.98,870.08 2688.98,807.09 2688.98,665.35 2744.09,610.24 2744.09,433.07 2688.98,377.95 2688.98,208.66 2696.85,200.79 v1(2696.85,129.92)
  Solder Side w6: v1(2696.85,129.92) 2696.85,59.06 J1.227@2700.79,55.12
GPIO_106: J1.106 U4.D19 | length 1697.5
  Component Side w6: v1(1551.18,925.2) U4.D19@1566.93,940.94 ; v1(2559.06,433.07) 2582.68,433.07 2720.47,295.28 2720.47,255.91 2728.35,248.03 2728.35,59.06 J1.106@2724.41,55.12
  Inner Layer 1 w4.5: v1(1551.18,925.2) 1566.93,909.45 1661.42,909.45 1996.06,574.8 2377.95,574.8 2452.76,500 2492.13,500 v1(2559.06,433.07)
GPIO_107: J1.228 U4.F19 | length 1808.9
  Component Side w6: U4.F19@1566.93,877.95 v1(1582.68,862.2)
  Inner Layer 4 w4.5: v1(1582.68,862.2) 1614.17,862.2 1629.92,877.95 1858.27,877.95 1972.44,763.78 1972.44,425.2 1988.19,409.45 2458.5,409.45 2623.86,244.09 v1(2704.72,244.09)
  Solder Side w6: v1(2704.72,244.09) 2704.72,145.67 2724.41,125.98 J1.228@2724.41,55.12
GPIO_108: J1.229 U4.D20 | length 1837.3
  Component Side w6: U4.D20@1598.43,940.94 1633.86,905.51 1755.91,905.51 1783.46,877.95 1889.76,877.95 v1(1905.51,862.2)
  Inner Layer 4 w4.5: v1(1905.51,862.2) 1992.13,775.59 1992.13,440.94 2007.87,425.2 2468.5,425.2 2610.24,283.46 2704.72,283.46 2724.41,263.78 2724.41,216.54 v1(2748.03,192.91)
  Solder Side w6: J1.229@2748.03,55.12 2748.03,122.05 2728.35,141.73 2728.35,173.23 v1(2748.03,192.91)
HA0: J1.115 R29.2 R30.2 U4.C18 | length 2321.4
  Component Side w6: v1(1519.68,988.19) U4.C18@1535.43,972.44 ; J1.115@2937.01,55.12 2937.01,114.17 v1(2921.26,129.92) 2937.99,146.65 R29.2@2937.99,177.17 R30.2@2937.99,204.72
  Inner Layer 3 w4.5: v1(1519.68,988.19) 1535.43,1003.94 1641.73,1003.94 1653.54,992.13 2452.76,992.13 2531.5,913.39 2740.16,913.39 2818.9,834.65 2818.9,625.98 2881.89,562.99 2881.89,425.2 2921.26,385.83 2921.26,287.4 2937.01,271.65 2937.01,145.67 v1(2921.26,129.92)
HA1: J1.237 R46.2 R47.2 U4.D14 | length 2740.7
  Component Side w6: v1(1393.7,956.69) U4.D14@1409.45,940.94
  Inner Layer 3 w4.5: v1(1393.7,956.69) 1409.45,972.44 1409.45,1035.43 1440.94,1066.93 2492.13,1066.93 2523.62,1035.43 2811.02,1035.43 2830.71,1015.75 2925.2,1015.75 2984.25,956.69 2984.25,374.02 2964.57,354.33 2964.57,149.61 v1(2944.88,129.92)
  Solder Side w6: J1.237@2937.01,55.12 2937.01,122.05 v1(2944.88,129.92) 2937.01,137.8 2937.01,176.18 R46.2@2937.99,177.17 R47.2@2937.99,204.72
HA2: J1.116 R31.2 R32.2 U4.C17 | length 2177.2
  Component Side w6: U4.C17@1503.94,972.44 v1(1519.68,956.69) ; v1(2901.57,358.27) 2901.57,318.9 2957.68,262.8 R32.2@2957.68,259.84 R31.2@2957.68,232.28 2960.63,229.33 J1.116@2960.63,55.12
  Inner Layer 3 w4.5: v1(1519.68,956.69) 1535.43,972.44 2358.27,972.44 2389.76,940.94 2472.44,940.94 2523.62,889.76 2669.29,889.76 2787.4,771.65 2787.4,519.68 2862.2,444.88 2862.2,381.89 2885.83,358.27 v1(2901.57,358.27)
HA3: J1.238 R44.2 R45.2 U4.B15 | length 2407.1
  Component Side w6: U4.B15@1440.94,1003.94 v1(1456.69,1019.68)
  Inner Layer 3 w4.5: v1(1456.69,1019.68) 1472.44,1035.43 2118.11,1035.43 2122.05,1039.37 2468.5,1039.37 2496.06,1011.81 2799.21,1011.81 2917.32,893.7 2917.32,421.26 2948.82,389.76 v1(2948.82,303.15)
  Solder Side w6: v1(2948.82,303.15) 2957.68,294.29 R45.2@2957.68,259.84 R44.2@2957.68,232.28 R44.2@2956.69,231.3 ; J1.238@2960.63,55.12 R44.2@2960.63,231.3
HA4: J1.117 R34.2 R35.2 U4.B14 | length 2503
  Component Side w6: U4.B14@1409.45,1003.94 v1(1425.2,1019.68) ; J1.117@2984.25,55.12 2984.25,229.33 R34.2@2987.2,232.28 R35.2@2987.2,259.84 2988.19,260.83 2984.25,264.76 v1(2984.25,346.46)
  Inner Layer 2 w4.5: v1(1425.2,1019.68) 1440.94,1035.43 1472.44,1035.43 1503.94,1066.93 2283.46,1066.93 2307.09,1043.31 2527.56,1043.31 2555.12,1015.75 2842.52,1015.75 2984.25,874.02 v1(2984.25,346.46)
HA5: J1.239 R42.2 R43.2 U4.B12 | length 2885.7
  Component Side w6: U4.B12@1346.46,1003.94 v1(1362.2,1019.68)
  Inner Layer 2 w4.5: v1(1362.2,1019.68) 1440.94,1098.43 1649.61,1098.43 1673.23,1122.05 2271.65,1122.05 2279.53,1114.17 3011.81,1114.17 3110.24,1015.75 3110.24,381.89 3031.5,303.15 v1(3003.94,303.15)
  Solder Side w6: J1.239@2984.25,55.12 2984.25,229.33 R42.2@2987.2,232.28 R43.2@2987.2,259.84 3003.94,276.57 v1(3003.94,303.15)
HA6: J1.118 R36.2 R37.2 U4.C12 | length 2882.7
  Component Side w6: U4.C12@1346.46,972.44 v1(1362.2,988.19) ; R37.2@3006.89,204.72 R36.2@3006.89,177.17 3007.87,176.18 3007.87,153.54 v1(3031.5,129.92) 3011.81,110.24 3011.81,98.43 3007.87,94.49 J1.118@3007.87,55.12
  Inner Layer 3 w4.5: v1(1362.2,988.19) 1377.95,1003.94 1377.95,1035.43 1425.2,1082.68 1657.48,1082.68 1681.1,1106.3 2283.46,1106.3 2307.09,1082.68 2511.81,1082.68 2539.37,1055.12 2791.34,1055.12 2818.9,1082.68 2944.88,1082.68 3015.75,1011.81 3015.75,417.32 3031.5,401.57 3031.5,291.34 3007.87,267.72 3007.87,153.54 v1(3031.5,129.92)
HA7: J1.240 R40.2 R41.2 U4.B13 | length 2764.4
  Component Side w6: U4.B13@1377.95,1003.94 v1(1393.7,1019.68)
  Inner Layer 2 w4.5: v1(1393.7,1019.68) 1456.69,1082.68 1657.48,1082.68 1681.1,1106.3 2263.78,1106.3 2295.28,1074.8 2547.24,1074.8 2582.68,1039.37 2669.29,1039.37 2708.66,1078.74 2854.33,1078.74 3015.75,917.32 3015.75,417.32 3031.5,401.57 3031.5,366.14 2984.25,318.9 2984.25,153.54 v1(3007.87,129.92)
  Solder Side w6: R41.2@3006.89,204.72 R40.2@3006.89,177.17 3007.87,176.18 v1(3007.87,129.92) J1.240@3007.87,55.12
INIT_B: R80.1 U4.R10 | length 22.3
  Component Side w6.5: U4.R10@1283.46,594.49 v4(1299.21,578.74)
INT: R52.1 U11.20 | length 57.4
  Solder Side w6.5: U11.20@2804.13,649.61 2814.96,649.61 2834.65,629.92 2834.65,621.46 R52.1@2841.93,614.17
IPMB-A_SCL: J1.120 U4.E9 | length 2992.7
  Component Side w6.5: U4.E9@1251.97,909.45 v1(1267.72,925.2) ; J1.120@3055.12,55.12 3055.12,267.13 3055.12,389.76 v1(3059.06,393.7)
  Inner Layer 1 w4: v1(1267.72,925.2) 1283.46,940.94 1437.01,940.94 1440.94,944.88 1440.94,1059.06 1448.82,1066.93 2515.75,1066.93 2547.24,1035.43 2625.98,1035.43 2677.17,1086.61 3035.43,1086.61 3059.06,1062.99 v1(3059.06,393.7)
IPMB-A_SDA: J1.121 U4.C6 | length 3154.8
  Component Side w6.5: U4.C6@1157.48,972.44 v1(1173.23,956.69) ; J1.121@3078.74,55.12 3078.74,279.53 3129.92,330.71 v1(3129.92,570.87)
  Inner Layer 1 w4: v1(1173.23,956.69) 1188.98,972.44 1188.98,1031.5 1192.91,1035.43 1314.96,1035.43 1393.7,1114.17 1633.86,1114.17 1665.35,1145.67 2275.59,1145.67 2283.46,1153.54 2527.56,1153.54 2555.12,1125.98 3055.12,1125.98 3106.3,1074.8 3106.3,594.49 v1(3129.92,570.87)
IPMB-B_SCL: J1.242 U4.D9 | length 3031.1
  Component Side w6.5: U4.D9@1251.97,940.94 v1(1267.72,956.69)
  Inner Layer 1 w4: v1(1267.72,956.69) 1283.46,972.44 1405.51,972.44 1409.45,976.38 1409.45,1047.24 1444.88,1082.68 1657.48,1082.68 1677.17,1102.36 2279.53,1102.36 2299.21,1082.68 2523.62,1082.68 2555.12,1051.18 2614.17,1051.18 2661.42,1098.43 3043.31,1098.43 3074.8,1066.93 v1(3074.8,606.3)
  Solder Side w6.5: J1.242@3055.12,55.12 3055.12,322.83 3055.12,338.58 3106.3,389.76 3106.3,574.8 v1(3074.8,606.3)
IPMB-B_SDA: J1.243 U4.E8 | length 3123.5
  Component Side w6.5: v1(1204.72,893.7) U4.E8@1220.47,909.45
  Inner Layer 1 w4: v1(1204.72,893.7) 1220.47,909.45 1220.47,1000 1224.41,1003.94 1374.02,1003.94 1377.95,1007.87 1377.95,1035.43 1440.94,1098.43 1645.67,1098.43 1677.17,1129.92 2263.78,1129.92 2281.03,1112.68 3048.74,1112.68 3094.49,1066.93 v1(3094.49,330.71)
  Solder Side w6.5: J1.243@3078.74,55.12 3078.74,157.48 3094.49,173.23 v1(3094.49,330.71)
JTAG_MASTER_TCK: J1.231 R11.1 | length 1725.9
  Component Side w6.5: R11.1@1701.38,960.63 1751.97,960.63 1795.28,917.32 1893.7,917.32 1915.35,895.67 1946.85,895.67 v1(1980.31,862.2)
  Inner Layer 4 w4: v1(1980.31,862.2) 1976.38,862.2 1978.35,860.24 2039.37,799.21 2055.12,799.21 2074.8,779.53 2074.8,610.24 2110.24,574.8 2330.71,574.8 2437.01,468.5 2637.8,468.5 2767.72,338.58 v1(2767.72,259.84)
  Solder Side w6.5: v1(2767.72,259.84) 2795.28,232.28 J1.231@2795.28,55.12
JTAG_MASTER_TDI: J1.232 R12.1 | length 1780.1
  Component Side w6.5: R12.1@1701.38,992.13 1748.03,992.13 1803.15,937.01 1901.57,937.01 1925.2,913.39 1960.63,913.39 v1(2011.81,862.2)
  Inner Layer 4 w4: v1(2011.81,862.2) 2094.49,779.53 2094.49,622.05 2125.98,590.55 2338.58,590.55 2444.88,484.25 2700.79,484.25 2795.28,389.76 v1(2795.28,259.84)
  Solder Side w6.5: v1(2795.28,259.84) 2818.9,236.22 J1.232@2818.9,55.12
JTAG_MASTER_TDO: J1.109 U4.E17 | length 2028.1
  Component Side w6.5: U4.E17@1503.94,909.45 v1(1519.68,893.7) ; J1.109@2795.28,55.12 2795.28,224.41 2818.9,248.03 2818.9,303.15 v1(2846.46,330.71)
  Inner Layer 4 w4: v1(1519.68,893.7) 1535.43,877.95 1598.43,877.95 1614.17,893.7 2051.18,893.7 2133.86,811.02 2133.86,629.92 2141.73,622.05 2425.2,622.05 2531.5,515.75 2712.6,515.75 2846.46,381.89 v1(2846.46,330.71)
JTAG_MASTER_TMS: J1.110 R75.1 | length 1811.6
  Component Side w6.5: v1(1811.02,956.69) 1909.45,956.69 1933.07,933.07 1972.44,933.07 v1(2043.31,862.2) ; J1.110@2818.9,55.12 2818.9,98.43 2814.96,102.36 2814.96,208.66 2834.65,228.35 2834.65,291.34 v1(2846.46,303.15)
  Inner Layer 4 w4: v1(2043.31,862.2) 2114.17,791.34 2114.17,625.98 2133.86,606.3 2418.82,606.3 2525.12,500 2708.66,500 2822.83,385.83 2822.83,326.77 v1(2846.46,303.15)
  Solder Side w6.5: R75.1@1701.38,960.63 1705.31,956.69 v1(1811.02,956.69)
JTAG_MASTER_TRST: J1.108 R10.1 | length 1667.5
  Component Side w6.5: R10.1@1701.38,929.13 1755.91,929.13 1787.4,897.64 1889.76,897.64 1907.48,879.92 1923.23,879.92 v1(1940.94,862.2) ; v1(2740.16,259.84) 2771.65,228.35 J1.108@2771.65,55.12
  Inner Layer 4 w4: v1(1940.94,862.2) 2039.37,763.78 2039.37,618.11 2098.43,559.06 2322.83,559.06 2429.76,452.13 2630.55,452.13 2740.16,342.52 v1(2740.16,259.84)
LED_10_100: C42.2 D7.2 U11.24 | length 667.2
  Component Side w7: v1(2838.58,1034.45) C42.2@2854.33,1034.45 2880.91,1034.45 D7.2@2897.64,1051.18
  Inner Layer 1 w6.4: v1(2763.78,582.68) 2763.78,653.54 2913.39,803.15 2913.39,929.13 2838.58,1003.94 v1(2838.58,1034.45)
  Solder Side w7: U11.24@2734.25,626.97 2734.25,612.2 v1(2763.78,582.68)
LED_1000: C44.2 D8.2 R50.1 U11.22 | length 732.8
  Component Side w7: v1(2937.01,1034.45) C44.2@2952.76,1034.45 2979.33,1034.45 D8.2@2996.06,1051.18
  Inner Layer 1 w6.4: v1(2830.71,555.12) 2811.02,574.8 2811.02,598.43 2921.26,708.66 2921.26,787.4 2937.01,803.15 v1(2937.01,1034.45)
  Solder Side w7: U11.22@2765.75,626.97 2765.75,610.24 2820.87,555.12 v1(2830.71,555.12) R50.1@2853.35,555.12
LED_ACT: C46.2 D9.2 R51.1 U11.21 | length 748.1
  Component Side w7: v1(3035.43,1034.45) C46.2@3051.18,1034.45 3077.76,1034.45 D9.2@3094.49,1051.18
  Inner Layer 1 w6.4: v1(2830.71,582.68) 2838.58,590.55 2925.2,590.55 2996.06,661.42 2996.06,956.69 3035.43,996.06 v1(3035.43,1034.45)
  Solder Side w7: U11.21@2781.5,626.97 2781.5,619.12 2817.94,582.68 v1(2830.71,582.68) R51.1@2853.35,582.68
MCT1: R39.1 U10.24 | length 66.3
  Component Side w20: v3(3039.37,433.07) U10.24@3039.37,484.25
  Solder Side w20: v3(3039.37,433.07) R39.1@3039.37,448.23
MCT2: R48.1 U10.21 | length 44.3
  Component Side w18: U10.21@2921.26,448.82 v3(2937.01,433.07)
  Solder Side w18: R48.1@2921.26,448.23 2921.85,448.23 v3(2937.01,433.07)
MCT3: R54.1 U10.18 | length 44.3
  Component Side w18: U10.18@2803.15,448.82 v3(2818.9,433.07)
  Solder Side w18: R54.1@2803.15,448.23 2803.74,448.23 v3(2818.9,433.07)
MCT4: R58.1 U10.15 | length 48.2
  Component Side w18: U10.15@2685.04,452.76 2685.04,448.82 v3(2700.79,433.07)
  Solder Side w18: R58.1@2685.04,448.23 2685.63,448.23 v3(2700.79,433.07)
MCT_C: C47.2 R39.2 R48.2 R54.2 R58.2 | length 389.8
  Solder Side w18: R58.2@2685.04,480.91 R54.2@2803.15,480.91 R48.2@2921.26,480.91 R39.2@3039.37,480.91 C47.2@3074.8,480.91
MDC: U9.7 U11.40 | length 164.2
  Component Side w6: U9.7@2497.44,841.54 2587.6,841.54 v1(2618.11,811.02)
  Solder Side w6: U11.40@2606.3,791.34 U11.40@2617.13,791.34 2618.11,792.32 v1(2618.11,811.02)
MDIO: U9.6 U11.39 | length 150.5
  Component Side w6: U9.6@2497.44,827.76 2562.01,827.76 v1(2578.74,811.02)
  Solder Side w6: v1(2578.74,811.02) 2578.74,795.28 2598.43,775.59 U11.39@2617.13,775.59
MDIO_CLK: U4.C10 U9.2 | length 1384.6
  Component Side w6: U4.C10@1283.46,972.44 v1(1299.21,988.19) ; v1(2381.89,834.65) 2414.37,834.65 2421.26,841.54 U9.2@2471.06,841.54
  Solder Side w6: v1(1299.21,988.19) 1314.96,972.44 1374.02,972.44 1377.95,968.5 1377.95,944.88 1381.89,940.94 1531.5,940.94 1535.43,937.01 1535.43,881.89 1539.37,877.95 1629.92,877.95 1653.54,901.57 2137.8,901.57 2169.29,933.07 2338.58,933.07 2362.2,909.45 2362.2,854.33 v1(2381.89,834.65)
MDIO_DIO: U4.C11 U9.3 | length 1356.4
  Component Side w6: U4.C11@1314.96,972.44 v1(1330.71,956.69) ; v1(2381.89,803.15) 2409.45,803.15 2434.06,827.76 U9.3@2471.06,827.76
  Solder Side w6: v1(1330.71,956.69) 1377.95,909.45 1405.51,909.45 1409.45,905.51 1409.45,850.39 1413.39,846.46 1673.23,846.46 1708.66,881.89 2149.61,881.89 2181.1,913.39 2326.77,913.39 2342.52,897.64 2342.52,842.52 v1(2381.89,803.15)
NetC8_2: C8.2 U2.2 | length 80.2
  Component Side w6.5: C8.2@310.43,185.04 315.31,189.92 U2.2@315.31,263.23
NetC9_2: C9.2 U2.3 | length 44.1
  Component Side w6.5: U2.3@335,263.23 335,222.2 C9.2@337.2,220
NetC141_2: C141.2 U14.2 | length 51.1
  Solder Side w6.5: C141.2@342.52,217.13 354.69,229.29 U14.2@354.69,263.23
NetC142_2: C142.2 U14.3 | length 57.9
  Solder Side w6.5: C142.2@314.96,213.58 314.96,224.41 335,244.45 U14.3@335,263.23
NetC149_2: C149.2 R116.1 R119.2 U15.1 | length 12.2
  Solder Side w6.5: U15.1@212.6,762.8 U15.1@212.6,775
NetD1_2: D1.2 R6.1 | length 44.7
  Component Side w6.5: R6.1@622.05,473.03 662.01,473.03 D1.2@665.35,476.38
NetD2_2: D2.2 R7.1 | length 44.7
  Component Side w6.5: D2.2@712.6,476.38 752.56,476.38 R7.1@755.91,473.03
NetD3_2: D3.2 R13.1 | length 46.7
  Component Side w6.5: R13.1@1736.81,1118.11 D3.2@1783.46,1118.11
NetD4_2: D4.2 R15.1 | length 55.1
  Component Side w6.5: R15.1@1929.13,1118.11 D4.2@1972.44,1118.11 D4.2@1984.25,1118.11
NetD5_2: D5.2 R24.1 | length 49.6
  Component Side w6.5: R24.1@2637.8,1066.34 2652.95,1051.18 D5.2@2681.1,1051.18
NetD6_2: D6.2 R25.1 | length 49.6
  Component Side w6.5: R25.1@2736.22,1066.34 2751.38,1051.18 D6.2@2779.53,1051.18
NetD7_1: D7.1 R26.2 | length 51.7
  Component Side w6.5: R26.2@2854.33,1093.9 2877.36,1093.9 D7.1@2897.64,1114.17
NetD8_1: D8.1 R33.2 | length 51.7
  Component Side w6.5: R33.2@2952.76,1093.9 2975.79,1093.9 D8.1@2996.06,1114.17
NetD9_1: D9.1 R38.2 | length 51.7
  Component Side w6.5: R38.2@3051.18,1093.9 3074.21,1093.9 D9.1@3094.49,1114.17
NetL7_2: L7.2 U11.2 | length 222.6
  Solder Side w6.5: L7.2@2468.5,862.2 2472.44,858.27 2503.94,858.27 2637.8,858.27 2655.51,840.55 U11.2@2655.51,813.98
PGOOD_1.0V: R16.1 U5.2 U8.4 | length 498
  Component Side w6: U5.2@1909.45,456.69 1948.82,456.69 v1(1952.76,452.76) 1963.58,452.76 R16.1@1964.57,453.74 ; U8.4@2334.65,444.88 2337.6,444.88 v5(2354.33,444.88)
  Solder Side w6: v1(1952.76,452.76) 1980.31,425.2 2334.65,425.2 v5(2354.33,444.88)
PGOOD_1.5V: R1.1 U1.2 | length 55.5
  Component Side w6: R1.1@102.36,924.21 103.35,925.2 U1.2@157.48,925.2
PGOOD_1.8V: Q3.1 R20.1 U1.1 U8.5 | length 3559.4
  Component Side w6: v1(133.86,944.88) U1.1@157.48,944.88 ; U8.5@2371.06,469.49 2384.84,469.49 v1(2393.7,460.63) 2413.39,460.63 2416.34,460.63 R20.1@2417.32,461.61
  Inner Layer 3 w4.5: v1(133.86,944.88) 185.04,996.06 212.6,996.06 366.14,1149.61 948.82,1149.61 976.38,1122.05 1059.06,1122.05 1070.87,1110.24 1657.48,1110.24 1696.85,1149.61 2366.14,1149.61 v5(2381.89,1133.86)
  Solder Side w6: v1(2011.81,673.23) 2035.24,673.23 Q3.1@2041.34,679.33 2122.24,598.43 2362.2,598.43 ; v5(2381.89,1133.86) 2381.89,1051.18 2421.26,1011.81 2421.26,657.48 2362.2,598.43 ; v1(2393.7,460.63) 2393.7,566.93 2362.2,598.43
PHY_RESET: R23.1 U4.B5 U11.1 | length 1940
  Component Side w6: U4.B5@1125.98,1003.94 v1(1141.73,1019.68) ; v1(2417.32,1133.86) 2480.31,1070.87 2480.31,969.49 R23.1@2471.46,960.63 v1(2452.76,960.63)
  Inner Layer 4 w4.5: v1(1141.73,1019.68) 1102.36,1059.06 1102.36,1094.49 1122.05,1114.17 1594.49,1114.17 1637.8,1157.48 2393.7,1157.48 v1(2417.32,1133.86) ; v1(2452.76,960.63) 2574.8,838.58 v1(2625.98,838.58)
  Solder Side w6: v1(2625.98,838.58) 2639.76,824.8 U11.1@2639.76,813.98
PL_JM_TCK: R11.2 U4.B20 | length 88.2
  Component Side w6.5: U4.B20@1598.43,1003.94 1641.73,960.63 R11.2@1668.7,960.63
PL_JM_TDI: R12.2 U4.A20 | length 88.2
  Component Side w6.5: U4.A20@1598.43,1035.43 1641.73,992.13 R12.2@1668.7,992.13
PL_JM_TMS: R75.2 U4.B19 | length 119.7
  Component Side w6.5: U4.B19@1566.93,1003.94 v1(1582.68,988.19)
  Solder Side w6.5: v1(1582.68,988.19) 1622.05,988.19 1649.61,960.63 R75.2@1668.7,960.63
PL_JM_TRST: R10.2 U4.C20 | length 88.2
  Component Side w6.5: U4.C20@1598.43,972.44 1641.73,929.13 R10.2@1668.7,929.13
PL_LED_RED: R6.2 U4.V8 | length 699.2
  Component Side w7: v1(590.55,468.5) 618.7,440.35 R6.2@622.05,440.35 ; v1(1204.72,515.75) U4.V8@1220.47,500
  Inner Layer 3 w6.4: v1(590.55,468.5) 606.3,484.25 984.25,484.25 1000,500 1188.98,500 v1(1204.72,515.75)
PL_LED_YELLOW: R7.2 U4.V5 | length 394.8
  Component Side w7: R7.2@755.91,440.35 759.25,440.35 v1(787.4,468.5) ; v1(1110.24,484.25) U4.V5@1125.98,500
  Inner Layer 1 w6.4: v1(787.4,468.5) 1094.49,468.5 v1(1110.24,484.25)
PROG_B: R82.1 U4.L6 | length 22.3
  Component Side w6.5: U4.L6@1157.48,720.47 v4(1173.23,704.72)
PS_CLK: R85.1 U4.E7 | length 236.2
  Component Side w6.5: v1(1173.23,925.2) U4.E7@1188.98,909.45
  Inner Layer 1 w4: v1(1125.98,1078.74) 1125.98,944.88 1129.92,940.94 1157.48,940.94 v1(1173.23,925.2)
  Solder Side w6.5: v1(1125.98,1078.74) 1125.98,1097.83 R85.1@1129.92,1101.77
PS_LED_RED: R13.2 U4.A14 | length 318.4
  Component Side w7: U4.A14@1409.45,1035.43 1440.94,1066.93 1641.73,1066.93 1681.1,1106.3 1692.91,1106.3 R13.2@1696.85,1110.24
PS_LED_YELLOW: R15.2 U4.A12 | length 642.9
  Component Side w7: U4.A12@1346.46,1035.43 1346.46,1066.93 1362.2,1082.68 1633.86,1082.68 1704.72,1153.54 1881.89,1153.54 1893.11,1142.32 R15.2@1893.11,1118.11
PS_MIO7: R81.2 U4.D8 | length 22.3
  Component Side w6.5: v4(1204.72,925.2) U4.D8@1220.47,940.94
PS_MIO8: R83.2 U4.D5 | length 22.3
  Component Side w6.5: U4.D5@1125.98,940.94 v4(1141.73,956.69)
PS_POR_B: R76.2 U4.C7 U13.1 | length 691.9
  Component Side w6: U4.C7@1188.98,972.44 v1(1204.72,988.19)
  Solder Side w6: v1(1204.72,988.19) 1220.47,1003.94 1374.02,1003.94 1377.95,1007.87 1377.95,1031.5 1381.89,1035.43 1472.44,1035.43 1503.94,1066.93 1570.87,1066.93 1618.11,1114.17 1629.33,1114.17 R76.2@1641.73,1126.57 1680.51,1126.57 1744.09,1062.99 1744.09,1055.32 U13.1@1761.81,1037.6
PS_SRST_B: Q2.2 R65.1 U4.B10 | length 1307.3
  Component Side w6: U4.B10@1283.46,1003.94 v1(1299.21,1019.68)
  Solder Side w6: v1(1299.21,1019.68) 1362.2,1082.68 1562.99,1082.68 1633.86,1153.54 2440.94,1153.54 2450.98,1143.5 Q2.2@2450.98,1116.14 2429.92,1095.08 R65.1@2413.39,1095.08
PS_TX_CLK: R77.1 U4.A19 | length 22.3
  Component Side w6.5: v1(1551.18,1051.18) U4.A19@1566.93,1035.43
PS_UART_TX: R9.2 U4.C8 | length 1106
  Component Side w6: U4.C8@1220.47,972.44 v1(1236.22,988.19) ; R9.2@1479.72,224.41 1511.81,224.41 v1(1519.68,216.54)
  Inner Layer 3 w4.5: v1(1236.22,988.19) 1220.47,972.44 1220.47,566.93 1224.41,562.99 1311.02,562.99 1314.96,559.06 1314.96,503.94 1318.9,500 1468.5,500 1472.44,496.06 1472.44,263.78 v1(1519.68,216.54)